# KiCad board Ultrasonic Sound Steering - Control Rev. B.kicad_pcb (continued)
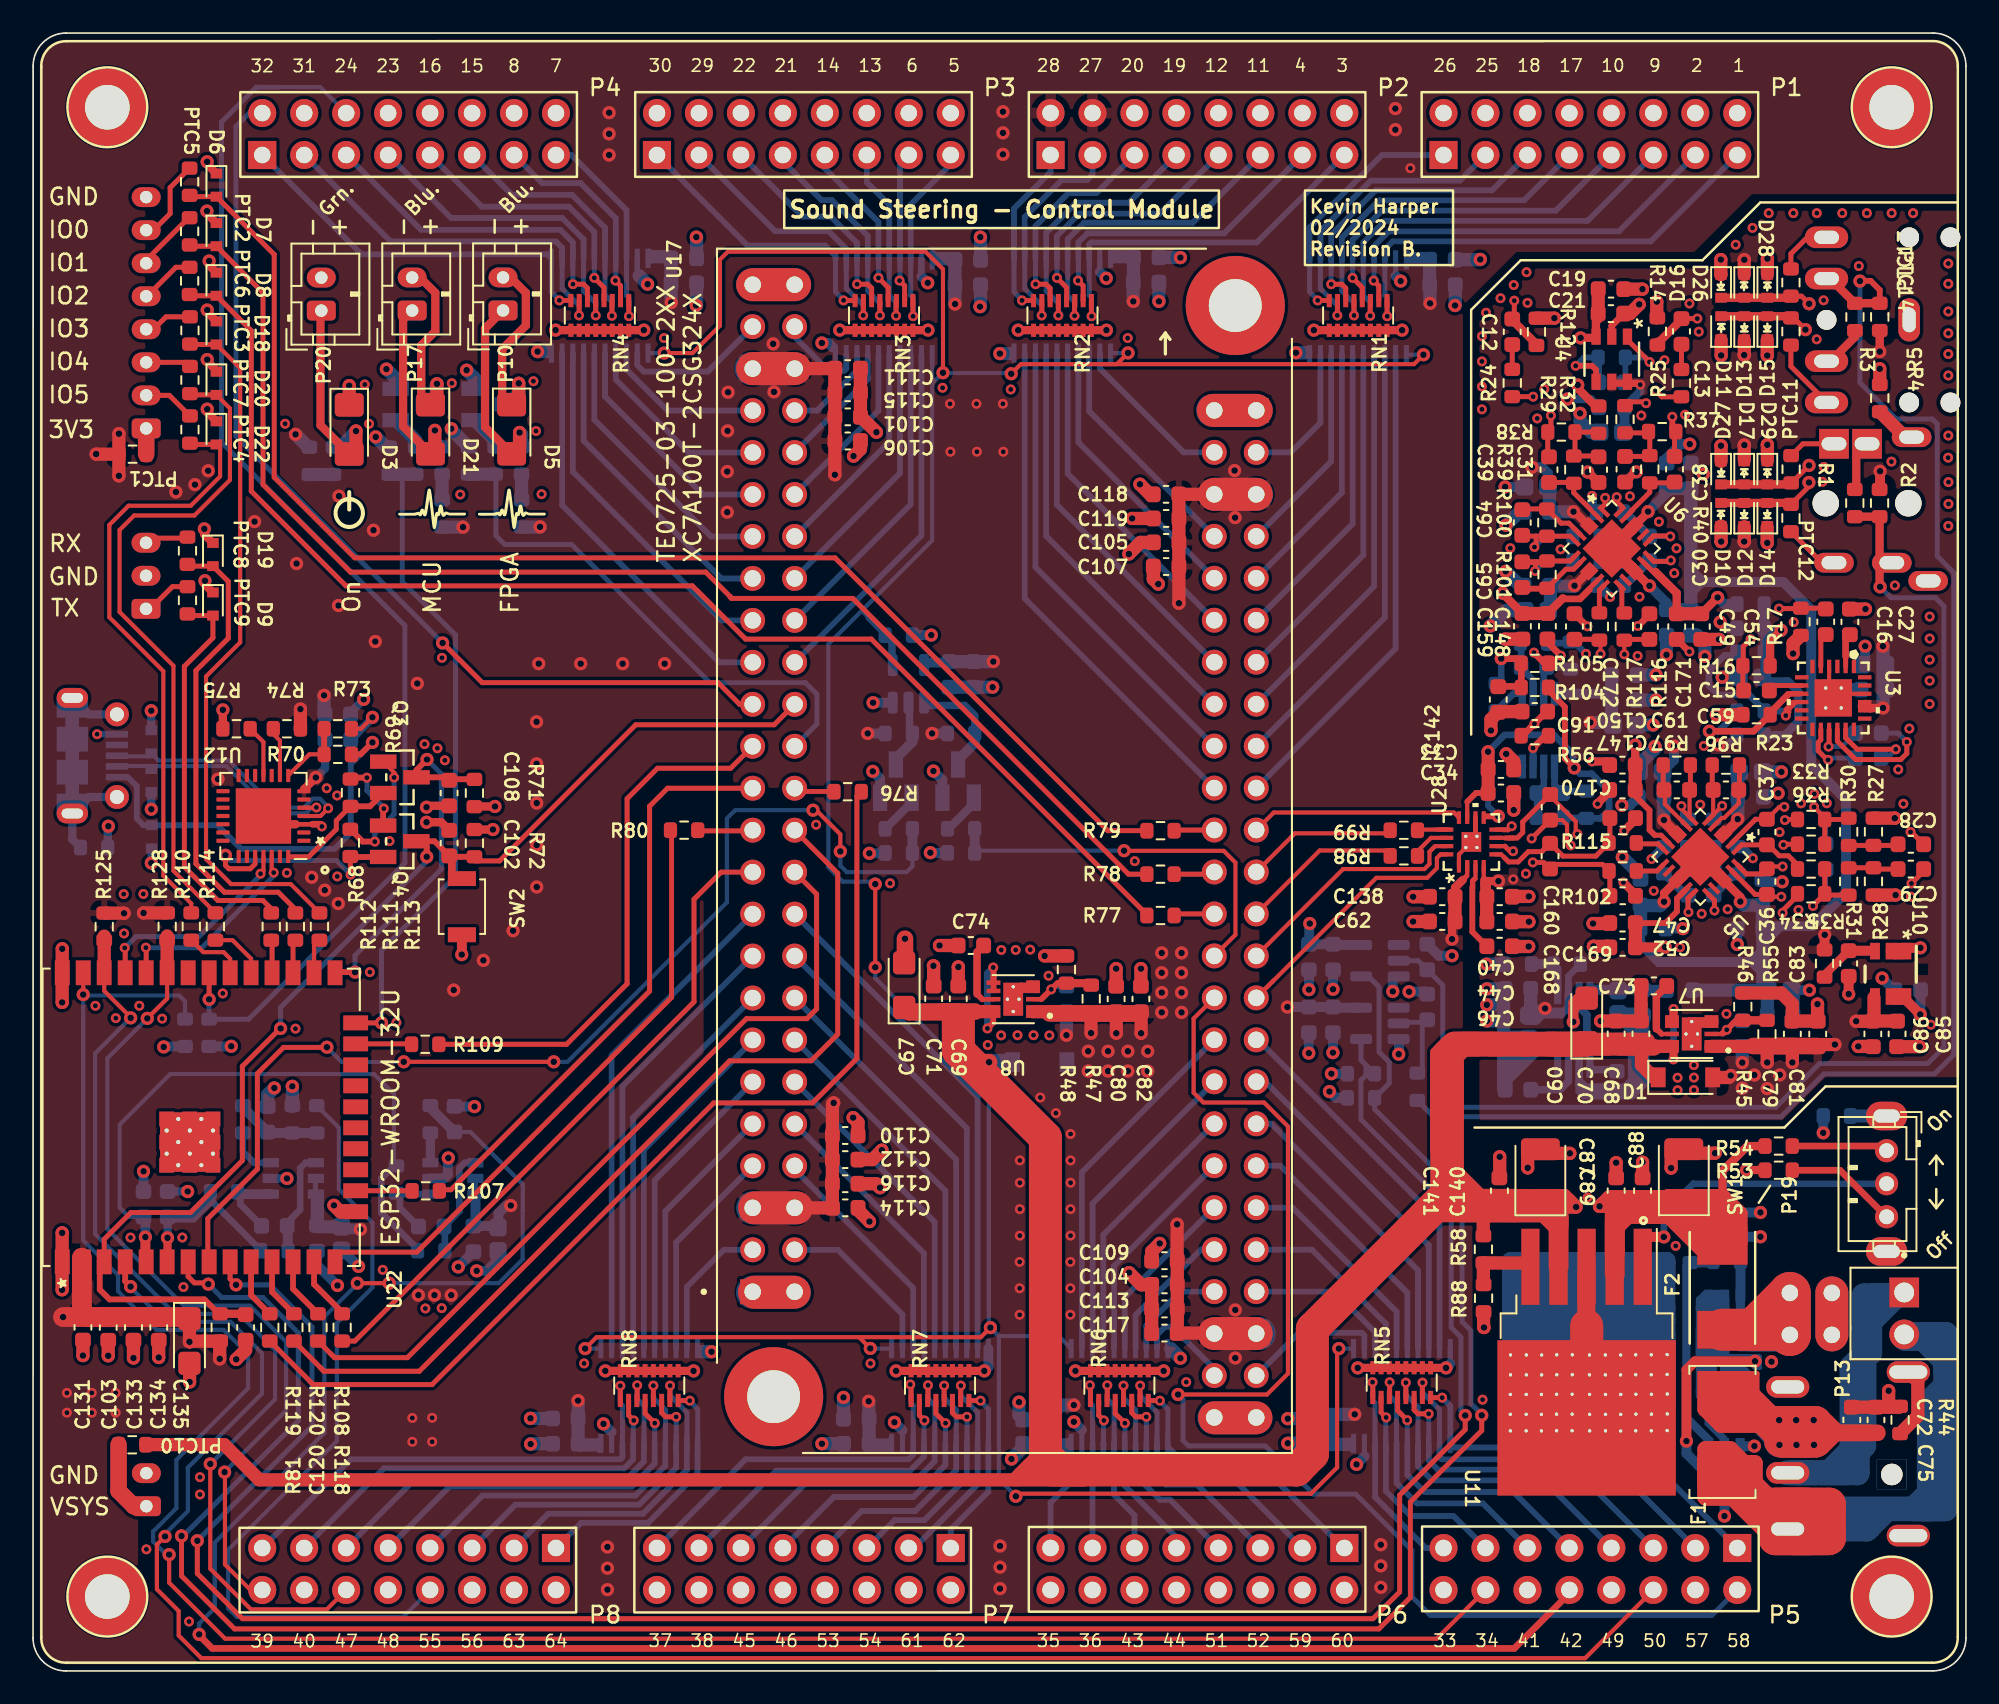
[diagram p0: board, top side]
## Routing (per net, layer and track width the routed paths; a pad name or vN(x,y) marks a point on that pad's centre or on a via; arc(x,y) is an arc through that point) (continued)
Net-(Q6-Pad3): length 2.4
  Bottom w0.25: 103.34,22.43 Q6.3
  Bottom w0.6: 103.34,24.8 103.34,22.43
Net-(Q7-Pad1): length 3
  Bottom w0.2: 51.59,50.97 R83.2 51.53,51.02 ; 53.17,52.57 Q7.1 53.17,52.55
  Bottom w0.45: 51.53,51.02 51.46,51.09
  Bottom w0.5: R83.2 53.17,52.57
Net-(Q7-Pad3): length 4.7
  Bottom w0.2: R84.2 53.02,56.95 ; Q7.3 52.22,55.24 ; 53.02,58.57 U25.2
  Bottom w0.45: 53.06,56.99 53.05,57 53.05,59.04 ; 53.05,58.54 53.02,58.57
  Bottom w0.6: R84.2 53.23,56.25 52.22,55.24
Net-(Q8-Pad1): length 3
  Bottom w0.2: 56.94,52.51 Q8.1 56.94,52.59 ; 55.26,51.06 R86.2 55.41,50.98
  Bottom w0.45: 55.26,51.06 55.21,51.11
  Bottom w0.5: 55.41,50.98 56.94,52.51
Net-(Q8-Pad3): length 6.8
  Bottom w0.2: 54.1,58.44 U25.1
  Bottom w0.45: 54.1,58.44 56.39,58.44 57,57.84 R91.2
  Bottom w0.6: Q8.3 55.99,55.16 57,56.17 R91.2
Net-(R8-Pad1): length 1.8
  Bottom w0.25: 24.05,30.76 U1.3
  Bottom w0.55: R8.1 24.05,30.76
Net-(R9-Pad2): length 3.1
  Bottom w0.4: R9.2 12.7,31.44 13.38,30.76 U2.3
Net-(R19-Pad1): length 11.6
  Top w0.25: 107.05,58.65 106.52,58.65 ; 106.3,58.23 106.55,58.48 ; 106.4,58.53 106.09,58.22 v2(106.09,57.83) 106.3,58.04 106.3,58.25 ; 106.67,58.61 106.55,58.48 ; 106.52,58.64 106.4,58.52 ; 107.12,58.65 106.58,58.65
  Bottom w0.4: R19.1 102.94,61.47 102.38,61.47 101.52,60.62 101.44,60.53 101.44,59.64 102,59.08 103.87,59.08 104.78,58.17 104.78,58.1 105.82,58.1 v2(106.09,57.83)
Net-(R22-Pad1): length 10.7
  Top w0.25: 104.99,57.73 R23.2 ; 106.23,59.07 106.11,58.95 106.11,58.92
  Top w0.3: 106.92,59.14 106.2,59.14 ; 106.93,59.15 106.21,59.15 ; U3.9 106.33,59.15 106.11,58.92
  Top w0.4: v1(101.47,56.88) 104.14,56.88 104.99,57.73 ; 106.21,59.08 105.14,58.02 R23.2
  Bottom w0.4: 103.14,58.1 103.14,58.01 102.02,56.88 v1(101.47,56.88)
Net-(R49-Pad1): length 13.2
  Bottom w0.25: 101.61,24.72 R49.1
  Bottom w0.5: R50.2 100.07,24.48 100.07,15.33 101.43,13.97 U9.4
  Bottom w0.6: R50.2 101.61,24.72
Net-(R51-Pad1): length 1.3
  Bottom w0.3: 16.91,72.43 16.89,72.44
  Bottom w0.8: R52.1 16.91,72.43
Net-(R56-Pad2): length 2.5
  Top w0.4: R56.2 91.54,56.61 v2(90.79,55.87)
  Bottom w0.25: 90.87,54.84 U23.3
  Bottom w0.4: v2(90.79,55.87) U23.3
Net-(R58-Pad1): length 4.3
  Top w0.25: 87.79,23.4 R88.2
  Top w0.8: 87.79,23.4 R58.1 90.4,24.7 U11.5
Net-(R59-Pad1): length 2.3
  Bottom w0.25: R60.1 29.57,71.75
  Bottom w0.8: R59.1 R60.1
Net-(R63-Pad1): length 1.3
  Bottom w0.8: R64.1 24.76,71.16
Net-(R70-Pad1): length 4.3
  Top w0.25: R70.1 16.73,55.48 U12.8
  Top w0.35: R73.1 R70.1
Net-(R74-Pad2): length 3
  Top w0.25: U12.9 14.95,56.32 14.54,56.72 R74.2
Net-(R75-Pad1): length 3.2
  Top w0.25: U12.11 13.95,56.23 R75.1
Net-(R76-Pad2): length 2.5
  Top w0.25: 46.29,53.24 U17.26_1
  Top w0.3: R76.2 48.47,53.24 46.29,53.24
Net-(R77-Pad1): length 2.5
  Top w0.3: U17.26_2 68.98,45.82
Net-(R78-Pad1): length 2.5
  Top w0.3: U17.24_2 71.37,48.23 R78.1
Net-(R79-Pad1): length 2.7
  Top w0.3: U17.22_2 69.11,50.9 R79.1 69.3,50.86
Net-(R80-Pad1): length 3.4
  Top w0.3: 40.27,50.85 43.52,50.85
  Top w0.35: R80.1 40.27,50.85 ; 43.52,50.85 U17.23_1
Net-(R98-Pad1): length 2.4
  Top w0.25: U28.14 84.61,50.43 83.8,49.61 R98.1
Net-(R99-Pad1): length 3
  Top w0.25: R99.1 83.84,50.93 U28.13 85.16,50.93 ; 84.97,50.93 85.74,50.93
Net-(R102-Pad2): length 1.5
  Top w0.25: 98.65,48.77 U5.13
  Top w0.3: U5.13 98.3,48.42 97.31,48.42
Net-(R103-Pad2): length 3.2
  Bottom w0.45: R89.1 92.28,42.52 U24.1
  Bottom w0.6: R103.2 R89.1
Net-(R106-Pad2): length 2
  Bottom w0.4: U23.5 89.6,59.15 R106.2
Net-(R107-Pad1): length 3.4
  Top w0.3: 22.89,29.07 U22.16
  Top w0.35: 22.9,29.05 22.89,29.07
Net-(R108-Pad1): length 3.8
  Top w0.35: U22.13 17.01,23.41 18.71,21.71 R108.1
Net-(R109-Pad1): length 3.4
  Top w0.25: 22.81,37.96 22.83,37.93
  Top w0.3: U22.23 22.89,37.96
Net-(R110-Pad1): length 3.7
  Top w0.25: U22.30 11.93,43.12 11.53,43.51 10.3,43.51 R110.1
Net-(R111-Pad1): length 1.9
  Top w0.3: 15.74,44.35 15.74,42.47
Net-(R112-Pad1): length 2
  Top w0.3: 14.47,42.47 14.47,44.43 14.42,44.48
Net-(R113-Pad1): length 3.8
  Top w0.25: U22.26 17.01,43.91 17.34,44.24 ; 17.01,42.48 17.01,44.13
Net-(R114-Pad1): length 3.5
  Top w0.25: R114.1 12.07,44.24 13.2,43.11 U22.29
Net-(R115-Pad2): length 1.8
  Top w0.25: U5.12 98.65,49.77
  Top w0.3: 98.65,49.77 98.36,50.07 97.1,50.07 R115.2
Net-(R116-Pad2): length 1.8
  Top w0.3: R116.2 96.17,64.19 96.17,65.57 U6.13
Net-(R117-Pad2): length 1.8
  Top w0.3: R117.2 94.81,65.43 U6.12
Net-(R118-Pad1): length 3.9
  Top w0.35: 13.2,25.01 13.2,22.75 R118.1
Net-(R119-Pad1): length 3.7
  Top w0.35: R119.1 14.47,22.94 U22.11
Net-(R120-Pad1): length 4.3
  Top w0.25: 15.66,25.01 15.48,24.83
  Top w0.35: R120.1 15.74,23.13 15.74,25.01
Net-(R126-Pad1): length 2.2
  Bottom w0.8: R126.1 SW1.4
Net-(U13-Pad2): length 8.5
  Bottom w0.35: U13.2 80.58,20.31 80.42,20.47 76.63,20.47 U17.47_2
Net-(U13-Pad3): length 9.2
  Bottom w0.35: U17.43_2 78.78,22.96 81.23,20.51 U13.3
Net-(U13-Pad4): length 11.2
  Bottom w0.35: U17.41_2 77.4,25.5 81.88,21.02 U13.4
Net-(U13-Pad5): length 13.3
  Bottom w0.35: U13.5 82.53,21.75 76.24,28.04 U17.39_2
Net-(U13-Pad6): length 15.7
  Bottom w0.35: U17.37_2 75.5,30.58 83.18,22.9 U13.6
Net-(U13-Pad7): length 18.2
  Bottom w0.35: U17.35_2 74.96,33.12 83.83,24.25 U13.7
Net-(U13-Pad8): length 20.8
  Bottom w0.35: U13.8 84.48,25.77 74.59,35.66 U17.33_2
Net-(U13-Pad9): length 23.7
  Bottom w0.35: U13.9 85.13,27.22 74.15,38.2 U17.31_2 74.04,37.8
Net-(U14-Pad2): length 29.7
  Bottom w0.35: U17.19_2 82.47,61.88 U14.2
Net-(U14-Pad3): length 26.9
  Bottom w0.35: U14.3 81.82,63.77 U17.17_2
Net-(U14-Pad4): length 24.1
  Bottom w0.35: U17.15_2 81.17,65.66 U14.4
Net-(U14-Pad5): length 21.3
  Bottom w0.35: U17.13_2 80.52,67.55 U14.5
Net-(U14-Pad6): length 18.5
  Bottom w0.35: U17.11_2 79.87,69.44 U14.6
Net-(U14-Pad7): length 15.7
  Bottom w0.35: U17.9_2 79.22,71.33 U14.7
Net-(U14-Pad8): length 12.9
  Bottom w0.35: U14.8 78.57,73.22 U17.7_2
Net-(U14-Pad9): length 8.7
  Bottom w0.35: U17.3_2 76.13,73.76 77.92,75.56 U14.9
Net-(U15-Pad2): length 10.2
  Bottom w0.35: U15.2 52.62,21.58 48.71,25.49 U17.4_1
Net-(U15-Pad3): length 14
  Bottom w0.35: U17.8_1 46.1,30.35 53.27,23.18 U15.3
Net-(U15-Pad4): length 16.8
  Bottom w0.35: U15.4 53.92,25.29 U17.10_1
Net-(U15-Pad5): length 19.7
  Bottom w0.35: U15.5 54.57,27.18 U17.12_1
Net-(U15-Pad6): length 22.5
  Bottom w0.35: U17.14_1 55.22,29.07 U15.6
Net-(U15-Pad7): length 25.3
  Bottom w0.35: U17.16_1 55.87,30.96 U15.7
Net-(U15-Pad8): length 28.1
  Bottom w0.35: U17.18_1 56.52,32.85 U15.8
Net-(U15-Pad9): length 30.9
  Bottom w0.35: U15.9 57.17,34.74 U17.20_1
Net-(U16-Pad2): length 21.8
  Bottom w0.35: U16.2 53.77,68.73 U17.32_1
Net-(U16-Pad3): length 19
  Bottom w0.35: U16.3 53.12,70.62 U17.34_1
Net-(U16-Pad4): length 16.2
  Bottom w0.35: U17.36_1 52.47,72.51 U16.4
Net-(U16-Pad5): length 13.4
  Bottom w0.35: U17.38_1 51.82,74.4 U16.5
Net-(U16-Pad6): length 10.6
  Bottom w0.35: U17.40_1 51.17,76.29 U16.6
Net-(U16-Pad7): length 7.8
  Bottom w0.35: U17.42_1 50.52,78.18 U16.7
Net-(U16-Pad8): length 5.7
  Bottom w0.35: U16.8 49.87,78.71 47.46,76.29 U17.44_1
Net-(U16-Pad9): length 5.5
  Bottom w0.35: U16.9 49.22,78.84 49.1,78.71 48.14,78.71 46.1,80.75 U17.48_1
Net-(U17-Pad3_1): length 8.6
  Bottom w0.35: U20.9 39.57,23.25 41.82,25.49 U17.3_1
Net-(U17-Pad4_2): length 10
  Bottom w0.35: U17.4_2 69.65,73.76 64.57,78.84 U19.2
Net-(U17-Pad7_1): length 13
  Bottom w0.35: U20.8 38.92,25.94 U17.7_1
Net-(U17-Pad8_2): length 14.2
  Bottom w0.35: U19.3 63.92,76.26 U17.8_2
Net-(U17-Pad9_1): length 15.8
  Bottom w0.35: U17.9_1 38.27,27.83 U20.7
Net-(U17-Pad10_2): length 17
  Bottom w0.35: U17.10_2 63.27,74.37 U19.4
Net-(U17-Pad11_1): length 18.6
  Bottom w0.35: U20.6 37.62,29.7 43.56,35.63 U17.11_1
Net-(U17-Pad12_2): length 19.8
  Bottom w0.35: U17.12_2 62.62,72.48 U19.5
Net-(U17-Pad13_1): length 21.4
  Bottom w0.35: U17.13_1 43.56,38.14 36.97,31.56 U20.5
Net-(U17-Pad14_2): length 22.7
  Bottom w0.35: U17.14_2 61.97,70.59 U19.6
Net-(U17-Pad15_1): length 24.2
  Bottom w0.35: U20.4 36.32,33.5 U17.15_1
Net-(U17-Pad16_2): length 25.5
  Bottom w0.35: U17.16_2 61.32,68.7 U19.7
Net-(U17-Pad17_1): length 27
  Bottom w0.35: U20.3 35.67,35.39 U17.17_1
Net-(U17-Pad18_2): length 28.3
  Bottom w0.35: U17.18_2 60.67,66.81 U19.8
Net-(U17-Pad19_1): length 29.8
  Bottom w0.35: U20.2 35.02,37.28 U17.19_1
Net-(U17-Pad20_2): length 31.1
  Bottom w0.35: U17.20_2 60.02,64.92 U19.9
Net-(U17-Pad31_1): length 24.7
  Bottom w0.35: U21.9 32.02,70.57 41.54,61.05 U17.31_1
Net-(U17-Pad32_2): length 22.3
  Bottom w0.35: U18.2 63.48,30.19 U17.32_2 71.5,37.94
Net-(U17-Pad33_1): length 21.8
  Bottom w0.35: U17.33_1 41.68,63.59 32.67,72.6 U21.8
Net-(U17-Pad34_2): length 19.2
  Bottom w0.35: U17.34_2 64.13,28.3 U18.3
Net-(U17-Pad35_1): length 19
  Bottom w0.35: U21.7 33.32,74.47 41.66,66.13 U17.35_1
Net-(U17-Pad36_2): length 16.4
  Bottom w0.35: U17.36_2 64.78,26.41 U18.4
Net-(U17-Pad37_1): length 16.5
  Bottom w0.35: U17.37_1 41.04,68.67 33.97,75.74 U21.6
Net-(U17-Pad38_2): length 13.6
  Bottom w0.35: U17.38_2 65.43,24.52 U18.5
Net-(U17-Pad39_1): length 14
  Bottom w0.35: U21.5 34.62,77.14 40.55,71.21 U17.39_1
Net-(U17-Pad40_2): length 10.8
  Bottom w0.35: U17.40_2 66.08,22.63 U18.6
Net-(U17-Pad41_1): length 11.7
  Bottom w0.35: U17.41_1 39.69,73.75 35.27,78.17 U21.4
Net-(U17-Pad42_2): length 8.4
  Bottom w0.35: U17.42_2 70.69,25.5 66.73,21.55 U18.7
Net-(U17-Pad43_1): length 9.7
  Bottom w0.35: U21.3 35.92,78.78 38.41,76.29 U17.43_1
Net-(U17-Pad44_2): length 6.4
  Bottom w0.35: U18.8 67.38,20.91 69.44,22.96 U17.44_2
Net-(U17-Pad47_1): length 9
  Bottom w0.35: U17.47_1 40.84,78.65 36.96,78.65 36.57,79.05 U21.2
Net-(U17-Pad48_2): length 6
  Bottom w0.35: U17.48_2 71.5,18.28 68.95,20.83 68.52,20.83 68.03,20.35 U18.9

## Copper pours and planes (outline as drawn; the poured copper is in the pictures)
+3.3VA on Top, Bottom: 117.7,37.74 117.7,35.54 108.6,35.54 107.6,34.54 105.9,32.87 86.85,32.94 86.92,89.02 117.72,89.07
+3V3 on Top: -1.62,100.48 118.26,99.93 118.78,-1.38 -2.2,-1.63
+3V3 on Bottom: -1.65,100.46 118.4,100.08 118.94,-1.36 -2.2,-1.49
GND on In1.Cu, In2.Cu: -1.65,100.52 118.32,99.71 118.71,-1.37 -1.93,-1.4

## Text on the board
B.Fab: U22
B.Silkscreen: 32 | 39 | 31 | 40 | 24 | 47 | 23 | 48 | 16 | 55 | 15 | 56 | 8 | 63 | 7 | 64 | 30 | 37 | 29 | 38 | 22 | 45 | 21 | 46 | 14 | 53 | 13 | 54 | 6 | 61 | 5 | 62 | 28 | 35 | 27 | 36 | 20 | 43 | 19 | 44 | 12 | 51 | 11 | 52 | 4 | 59 | 3 | 60 | 26 | 33 | 25 | 34 | 18 | 41 | 17 | 42 | 10 | 49 | 9 | 50 | 2 | 57 | 1 | 58 | Off | On | Kevin Harper / 02/2024 / Revision B. | 5V, 25W min. / 2.5x5.5x9.5mm | Stereo In / 3.5mm TRS | Microphone In / 2.5mm TRRS | GND | IO0 | IO1 | IO2 | IO3 | IO4 | IO5 | 3V3 | IO | UART | ICSP | VSYS | RX | TX | * | Sound Steering - Control Module
Top: Kevin Harper / 02/2024 / Revision B. | Sound Steering - Control Module
F.Silkscreen: 39 | 32 | 40 | 31 | 47 | 24 | 48 | 23 | 55 | 16 | 56 | 15 | 63 | 8 | 64 | 7 | 37 | 30 | 38 | 29 | 45 | 22 | 46 | 21 | 53 | 14 | 54 | 13 | 61 | 6 | 62 | 5 | 35 | 28 | 36 | 27 | 43 | 20 | 44 | 19 | 51 | 12 | 52 | 11 | 59 | 4 | 60 | 3 | 33 | 26 | 34 | 25 | 41 | 18 | 42 | 17 | 49 | 10 | 50 | 9 | 57 | 2 | 58 | 1 | Kevin Harper / 02/2024 / Revision B. | / | Grn. | Blu. | On | Off | * | GND | IO0 | IO1 | IO2 | IO3 | IO4 | IO5 | 3V3 | RX | TX | VSYS | TE0725-03-100-2XX / XC7A100T-2CSG324X | MCU | FPGA | + / - | Sound Steering - Control Module
